# Altium PCB V2.PcbDoc
Units mm, origin at the board's own origin, x right, y up, seen from the top; angles counter-clockwise.
Board outline 102.62 x 78.87 mm, 2 copper layers (Top Layer, Bottom Layer); 8 components, 13 nets, 78 pads, 8 vias.
Unrouted connection lines stored in the file: 3.
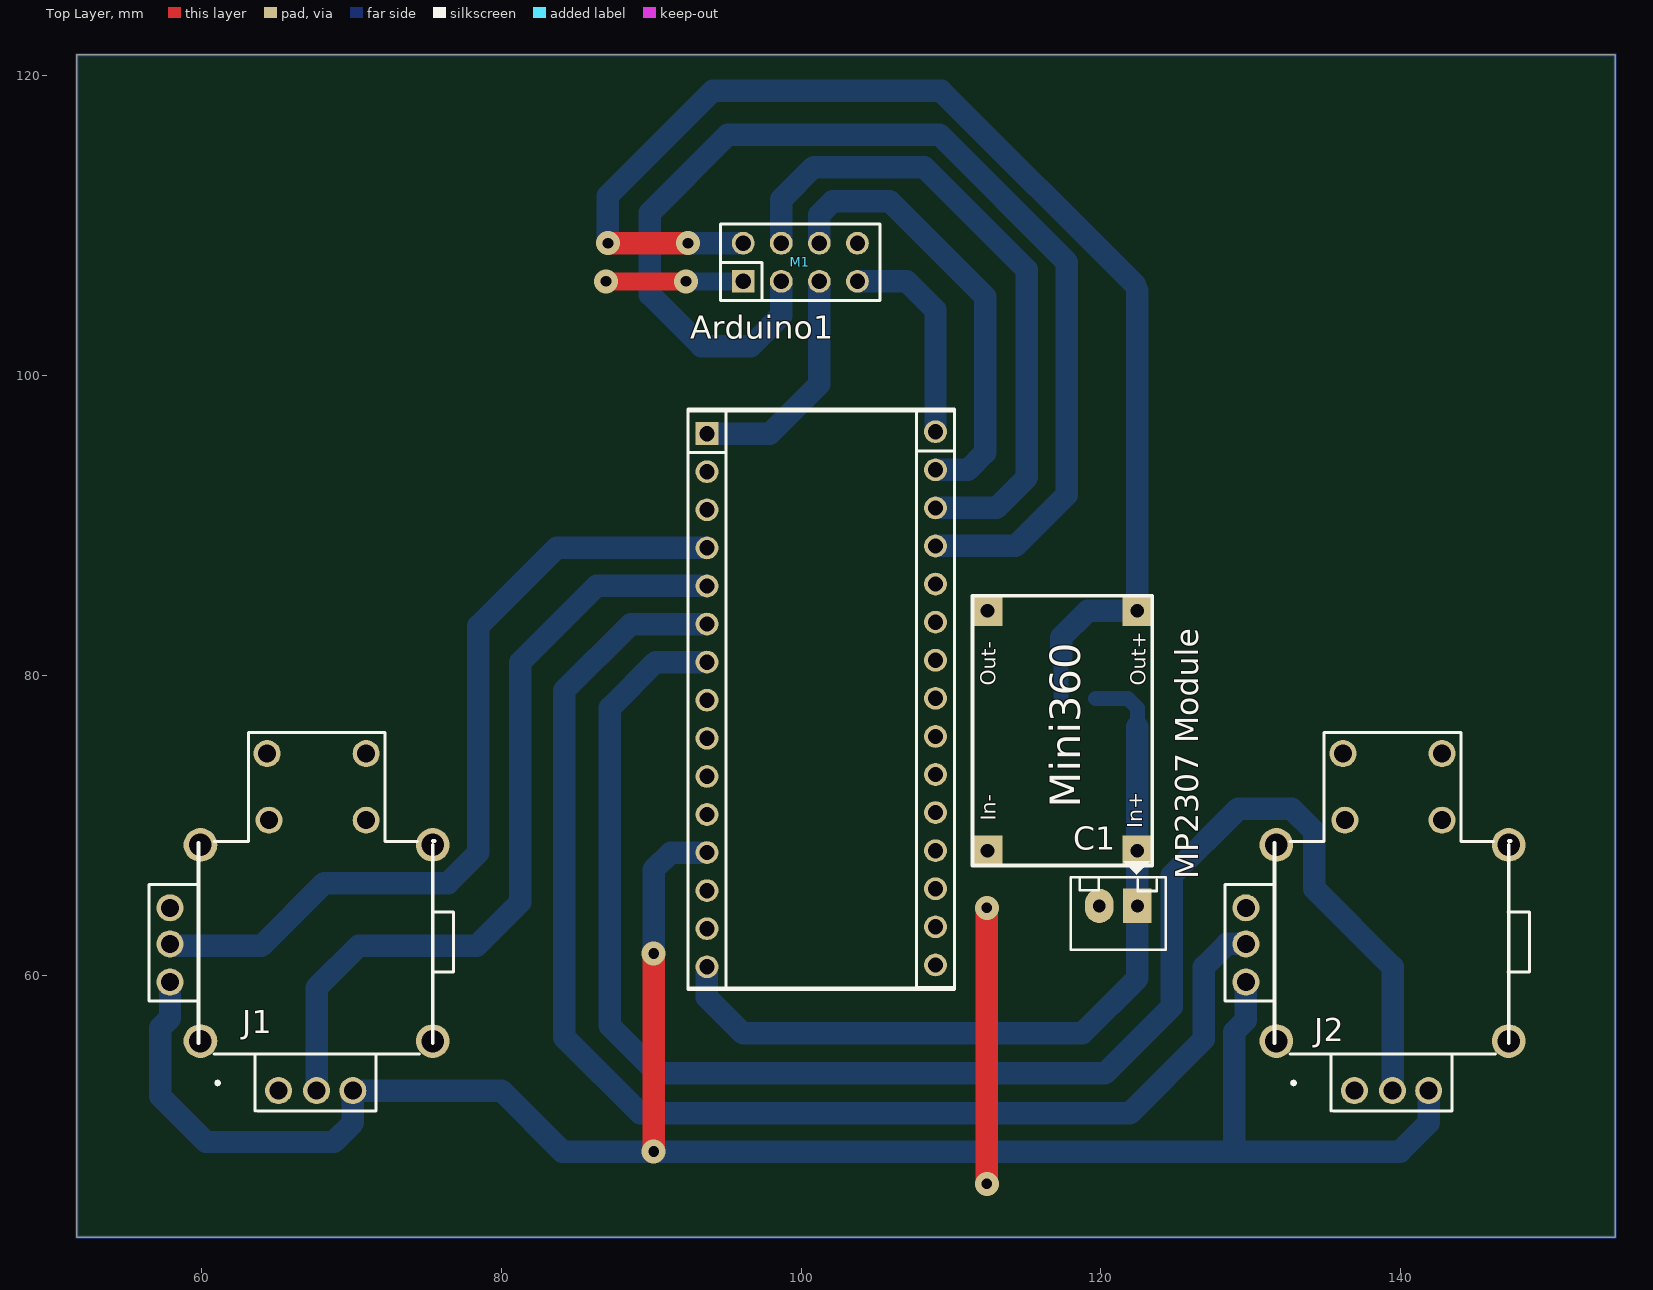
[diagram p0: Top Layer view]
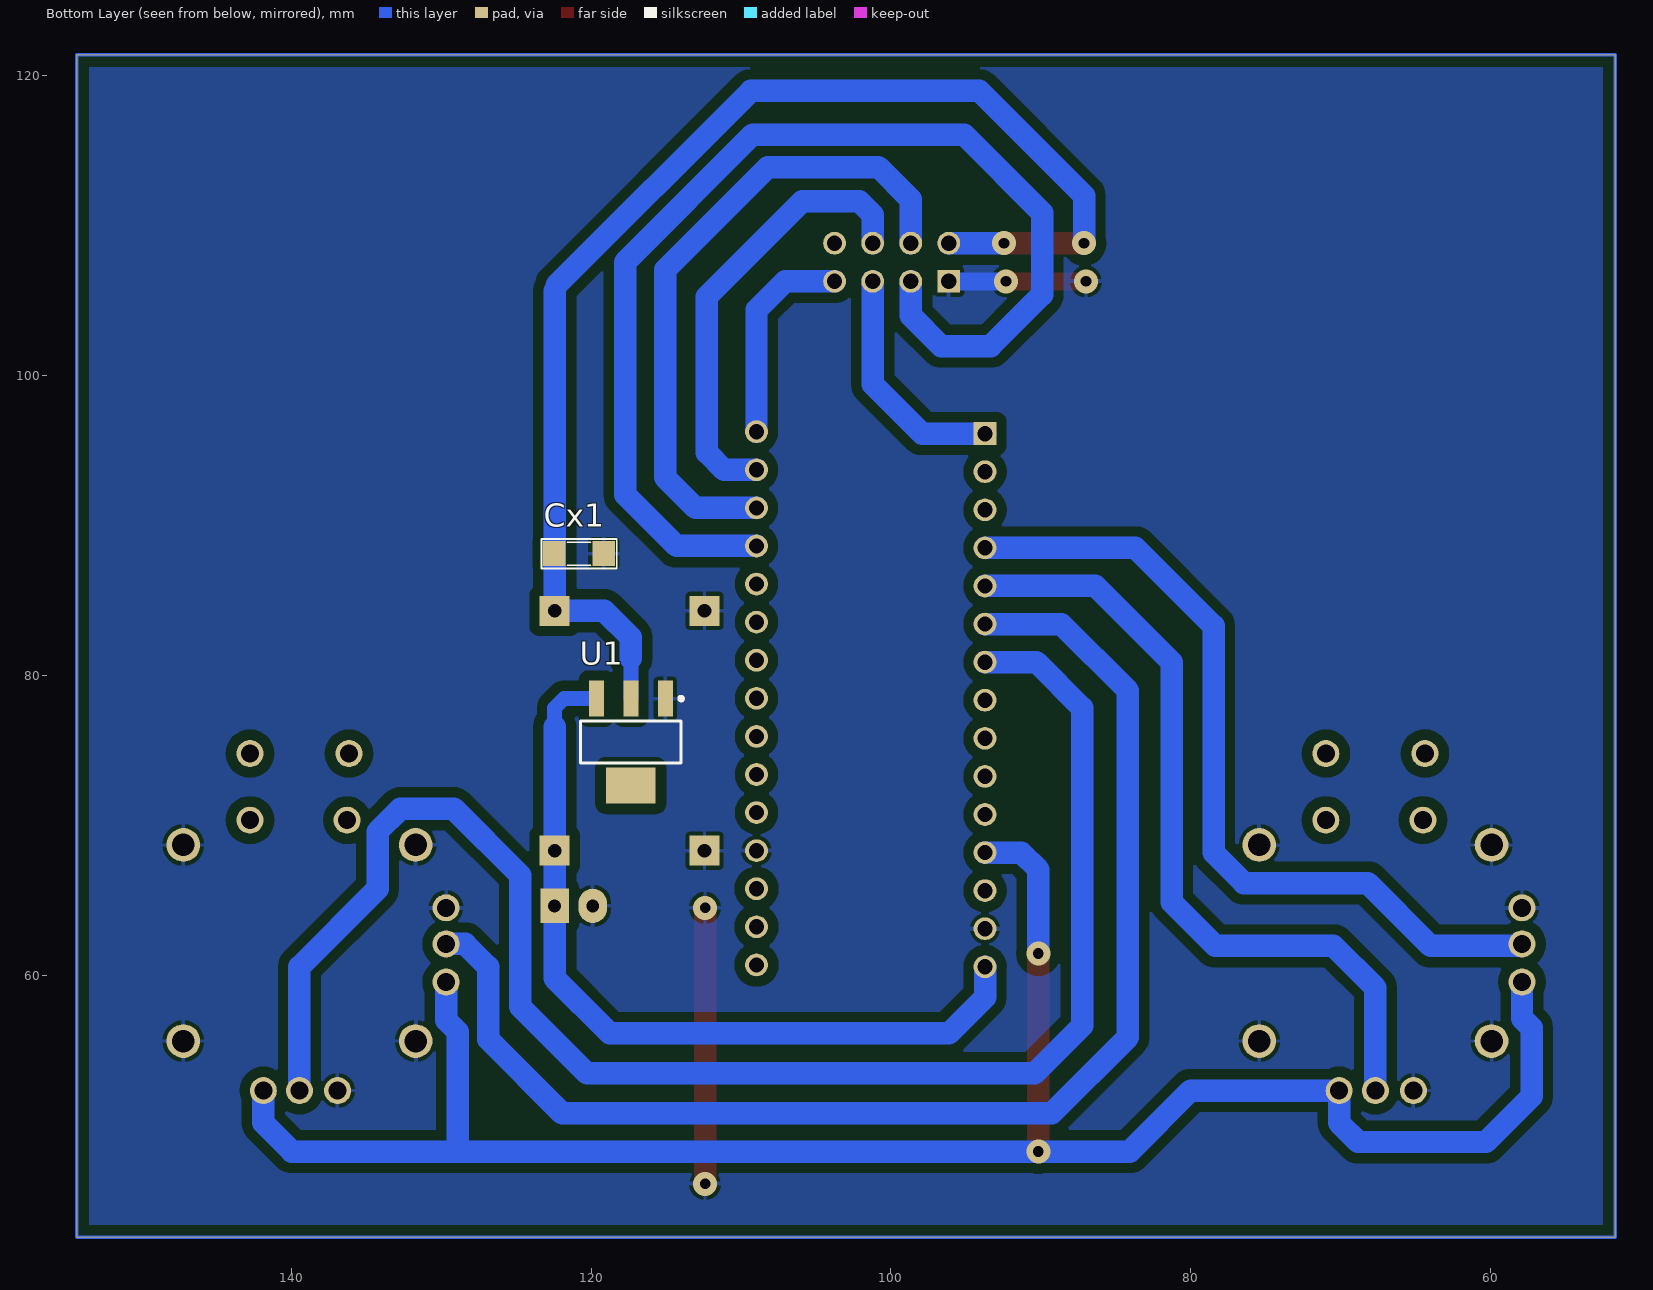
[diagram p1: Bottom Layer view, seen from below]

## Layer stack, top to bottom
Top Solder: solder mask 0.0102, Solder Resist, Dk 3.5
Top Layer: signal copper 0.0356
Dielectric 1: dielectric 0.32, FR-4, Dk 4.8
Bottom Layer: signal copper 0.0356
Bottom Solder: solder mask 0.0102, Solder Resist, Dk 3.5

## Board outline
51.689,42.545 154.305,42.545 154.305,121.412 51.689,121.412

## Design rules (kind name [scope] priority, off if disabled: settings)
Clearance [All] p1: gap=0.5 ignorepadtopadclearanceinfootprint=TRUE except(0.7: Arc-Fill Arc-Poly Arc-Region Track-Fill Track-Poly Track-Region SMDPad-Fill SMDPad-Poly SMDPad-Region THPad-Fill THPad-Poly THPad-Region Via-Fill Via-Poly Via-Region Fill-Fill Fill-Poly Fill-Region Poly-Poly Poly-Region Region-Region)
PolygonConnect [All] p1: connectstyle=Relief reliefconductorwidth=0.254 reliefentries=4 polygonreliefangle="90 Angle" airgapwidth=0.254
RoutingVias [All] p1: holewidth=0.711 width=1.27 viastyle="Through Hole" minholewidth=0.711 minwidth=1.27 maxholewidth=0.711 maxwidth=1.27
SolderMaskExpansion [All] p1: expansion=0.102
Width [All] p1: maxlimit=3 minlimit=1 preferedwidth=1.5
30 further rules are at their usual default settings.

## Components (designator, comment, footprint, x,y, rotation, side; value= is the part's Value field where it differs from the comment)
Arduino1 "Arduino Nano" "Arduino Nano" 100.584,78.232 r180 top value="Cau 1A"
C1 "Header2" Header2 122.428,64.643 r180 top
Cx1 "XXpF" CN-SMD-1206 120.777,88.138 r0 bottom value=33pF
J1 "RKJXV1224005" RKJXV1224005 67.437,62.103 r0 top
J2 "RKJXV1224005" RKJXV1224005 139.192,62.103 r0 top
M1 "NRF24L01" NRF24L01 99.949,107.569 r0 top
"MP2307 Module" "MP2307 DC-DC Switching Buck Step-Down Module" MINI360 123.497,67.201 r90 top
U1 "LM1117-3.3V" SOT223 117.348,75.565 r0 bottom

## Footprints (in the part's own frame and the unit in brackets; to place one, negate y for a bottom-side part, rotate by r counter-clockwise, add the part's x,y. Pads: shape width x height; smd on the part's side, far side on the other; paste and mask are expansions set on the pad)
"Arduino Nano" [mm]
  round 1.52 hole 1.02: 3V3(6.858,-15.367) 5V(6.858,10.033) A0(6.858,-10.287) A1(6.858,-7.747) A2(6.858,-5.207) A3(6.858,-2.667) A4(6.858,-0.127) A5(6.858,2.413) A6(6.858,4.953) A7(6.858,7.493) D2(-8.382,7.366) D3(-8.382,4.826) D4(-8.382,2.286) D5(-8.382,-0.254) D6(-8.382,-2.794) D7(-8.382,-5.334) D8(-8.382,-7.874) D9(-8.382,-10.414) D10(-8.382,-12.954) D11(-8.382,-15.494) D12(-8.382,-18.034) GND(-8.382,9.906) GND(6.858,15.113) REF(6.858,-12.827) RST(-8.382,12.446) RST(6.858,12.573) RX0(-8.382,14.986) TX1(-8.382,17.526) VIN(6.858,17.653)
  rect 1.52x1.52 hole 1.02: D13(6.858,-17.907)
  silkscreen extent -9.65,-19.55 8.13,19.18, body extent -9.65,-23.48 8.14,21.44, height 21.18
CN-SMD-1206 [mil]
  rect 60x65 smd: 1(-64,0) 2(66,0)
  silkscreen extent -98,-38 100,39, body extent -63,-31 63,31, height 40
Header2 [mil] "CON2"
  rect 75x90 hole 34: 1(0,0)
  oval 75x90 hole 34: 2(100,0)
  silkscreen extent -75,-118 175,115, body extent -68,-70 168,107, height 236
MINI360 [mm]
  rect 2.002x2.002 hole 0.914: 1(1.125,11.069) 2(1.125,1.069) 3(17.125,1.069) 4(17.125,11.069)
  silkscreen extent 0.12,0.07 18.12,12.07
NRF24L01 [mm]
  rect 1.52x1.52 hole 1.02: 1(-3.81,-1.27)
  round 1.52 hole 1.02: 2(-1.27,-1.27) 3(1.27,-1.27) 4(3.81,-1.27) 5(3.81,1.27) 6(1.27,1.27) 7(-1.27,1.27) 8(-3.81,1.27)
  silkscreen extent -5.33,-2.54 5.33,2.54, body extent -5.85,-2.79 9.15,26.21, height 15.4
RKJXV1224005 [mm]
  round 1.8 hole 1.2: 1(3.556,8.255) 2(3.556,12.7) 3(-2.921,8.255) 4(-3.048,12.7) 5(-9.525,2.413) 6(-9.525,0) 7(-9.525,-2.54) 8(-2.286,-9.779) 9(0.254,-9.779) 10(2.667,-9.779)
  round 2.25 hole 1.5: 11(8.001,-6.477) 12(-7.493,-6.477) 13(8.001,6.604) 14(-7.493,6.604)
  silkscreen extent -10.92,-11.14 9.4,14.1, body extent -12.84,-12.99 13.46,16.04, height 29.94
SOT223 [mm]
  rect 1x2.4 smd: 1(-2.3,-2.9) 2(0,-2.9) 3(2.3,-2.9)
  rect 3.3x2.4 smd: 4(0,2.9)
  silkscreen extent -3.47,-3.02 3.35,1.4, body extent -3.25,-3.56 3.25,3.4, height 1.68

## Part data
Arduino1: "Arduino NANO", ="Cau 5A"
C1: "Header IDC, 2 x 1 Pin Vertical 2.54mm Pitch (Non-Boxed, Male)", Manufacturer="Würth Elektronik eiSos GmbH", partNo=613002143121, ComponentLink1 Description=Manufacturer, ComponentLink1URL=http://www.we-online.com, ComponentLink2 Description=Datasheet, ComponentLink2URL=http://katalog.we-online.de/em/datasheet/6130xx143121.pdf, Created by="Karrer Zheng", Created Date="29 March 2013", NoPins=02
Cx1: library part CN
J1 J2: "Joystick", Manufacturer_Name=ALPS, Mouser Part Number=688-RKJXV1224005, RS Part Number=1239578, Datasheet Link=http://www.alps.com/prod/info/E/HTML/MultiControl/Potentiometer/RKJXK/RKJXV1224005.html, Manufacturer_Part_Number=RKJXV1224005, Mouser Price/Stock=https://www.mouser.com/Search/Refine.aspx?Keyword=688-RKJXV1224005, RS Price/Stock=http://uk.rs-online.com/web/p/products/1239578
"MP2307 Module": library part "MP2307 Module"
U1: library part LM1117, "800mA Low-Dropout Linear Regulator", Creator="Nguyen Ba Bien", Website=http://group3i.net

## Via types
v1: diameter 1.6, hole 0.711, Top Layer to Bottom Layer, 8 vias

## Nets (pads, with @x,y where several pads share a name; then routed paths per layer and width w, separated by ;. In a path a pad name is that pad's centre, name@x,y a point inside that pad or via, vN(x,y) a via of type N, cw(c..) or ccw(c..) an arc to the next point about the centre after c; other vN are vias at no path point)
+5: Arduino1.5V J1.7 J1.10 J2.7 J2.10 | length 135.4
  Top Layer w1.5: v1(90.17,48.26) v1(90.17,61.468)
  Bottom Layer w1.5: J1.7@57.912,59.436 57.912,57.15 57.277,56.515 57.277,51.943 60.325,48.895 68.834,48.895 70.104,50.165 J1.10 80.01,52.324 84.074,48.26 v1(90.17,48.26) 128.905,48.26 ; v1(90.17,61.468) 90.17,67.056 91.313,68.199 Arduino1.5V ; J2.7 129.667,57.023 128.905,56.261 128.905,48.26 ; J2.10 141.859,50.165 139.954,48.26 128.905,48.26
A0: Arduino1.A0 J1.6 | length 55.7
  Bottom Layer w1.5: J1.6@57.912,61.976 64.008,61.976 68.199,66.167 76.454,66.167 78.486,68.199 78.486,83.312 83.693,88.519 Arduino1.A0
A1: Arduino1.A1 J1.9 | length 53.5
  Bottom Layer w1.5: J1.9@67.691,52.197 J1.9 67.691,59.182 70.485,61.976 78.359,61.976 81.28,64.897 81.28,80.899 86.36,85.979 Arduino1.A1
A2: Arduino1.A2 J2.6 | length 89.6
  Bottom Layer w1.5: Arduino1.A2 88.646,83.439 84.201,78.994 84.201,55.88 89.281,50.8 121.92,50.8 126.873,55.753 126.873,60.579 128.397,62.103 J2.6
A3: Arduino1.A3 J2.9 | length 109.8
  Bottom Layer w1.5: Arduino1.A3 90.297,80.899 87.249,77.851 87.249,56.642 90.424,53.467 120.269,53.467 124.714,57.912 124.714,66.675 129.159,71.12 132.715,71.12 134.239,69.596 134.239,65.786 139.446,60.579 J2.9
CE: Arduino1.D9 M1.2 | length 77.9
  Bottom Layer w1.5: M1.2 98.679,104.013 96.647,101.981 93.345,101.981 89.916,105.41 89.916,110.871 95.123,116.078 109.22,116.078 117.729,107.569 117.729,92.075 114.3,88.646 Arduino1.D9
CLK: Arduino1.D13 M1.3 | length 15.7
  Bottom Layer w1.5: Arduino1.D13 97.917,96.139 101.219,99.441 M1.3
CSN: Arduino1.D10 M1.7 | length 43.8
  Bottom Layer w1.5: M1.7 98.679,111.76 100.838,113.919 108.204,113.919 115.062,107.061 115.062,93.218 113.03,91.186 Arduino1.D10
GND: "MP2307 Module.1" "MP2307 Module.4" Arduino1.GND C1.2 Cx1.1 J1.5 J1.8 J1.11 J1.12 J1.13 J1.14 J2.5 J2.8 J2.11 J2.12 J2.13 J2.14 M1.1 U1.1 | length 27.6
  Top Layer w1.2: v1(86.995,106.299) v1(92.329,106.299)
  Top Layer w1.5: v1(112.395,46.101) v1(112.395,64.516)
  Bottom Layer w1.2: v1(92.329,106.299) M1.1
MISO: Arduino1.D12 M1.4 | length 14.1
  Bottom Layer w1.5: M1.4 107.061,106.299 108.966,104.394 Arduino1.D12
MOSI: Arduino1.D11 M1.6 | length 30.1
  Bottom Layer w1.5: M1.6 101.219,110.744 102.108,111.633 105.918,111.633 112.268,105.283 112.268,94.869 111.125,93.726 Arduino1.D11
NetCx1_2: "MP2307 Module.3" Cx1.2 M1.8 U1.2 | length 86.9
  Top Layer w1.5: v1(87.122,108.839) v1(92.456,108.839)
  Bottom Layer w1: U1.2 117.348,81.153
  Bottom Layer w1.5: v1(87.122,108.839) 87.122,112.014 94.107,118.999 109.347,118.999 122.301,106.045 ; v1(92.456,108.839) M1.8 ; 117.348,81.153 117.348,82.55 119.124,84.326 122.428,84.326 122.428,105.664
VCC: "MP2307 Module.2" Arduino1.VIN C1.1 U1.3 | length 54.2
  Bottom Layer w1: U1.3 121.814,78.465 122.428,77.851 122.428,76.581
  Bottom Layer w1.5: Arduino1.VIN 93.726,58.547 96.139,56.134 118.745,56.134 122.428,59.817 C1.1 122.428,68.199 ; 122.428,68.326 122.428,76.581
pads on no net: Arduino1.3V3 Arduino1.A4 Arduino1.A5 Arduino1.A6 Arduino1.A7 Arduino1.D2 Arduino1.D3 Arduino1.D4 Arduino1.D5 Arduino1.D6 Arduino1.D7 Arduino1.D8 Arduino1.REF Arduino1.RST Arduino1.RX0 Arduino1.TX1 J1.1 J1.2 J1.3 J1.4 J2.1 J2.2 J2.3 J2.4 M1.5 U1.4
copper on no net: | length 363
  Bottom Layer w0.254: 51.689,42.545 51.689,121.412 154.305,121.412 154.305,42.545 51.689,42.545

## Polygon pours and split planes (outlines as drawn)
GND on Bottom Layer "GND_L02_P014" (solid, remove dead copper, pour order 14): 51.689,121.412 154.305,121.412 154.051,121.158 154.051,42.545 51.689,42.545

## Text inside footprints (layer, text, board x,y; h text height)
"MP2307 Module": Top Overlay "Mini360" at 118.627,71.172 h2.03 r90; Top Overlay "Out-" at 112.996,79.326 h1 r90; Top Overlay "Out+" at 122.997,79.326 h1 r90; Top Overlay "In+" at 122.77,69.825 h1 r90; Top Overlay "In-" at 112.996,70.326 h1 r90